# Altium PCB ThereMightBeNoise.PcbDoc (part 2 of 3)
Units mm, origin at the board's own origin, x right, y up, seen from the top; angles counter-clockwise.
Board outline 100.8 x 115.2 mm, 4 copper layers (Top Layer, Int1 (GND), Int2 (PWR), Bottom Layer), stack 1.056 mm thick; 250 components, 185 nets, 859 pads, 1257 vias.
Unrouted connection lines stored in the file: 297.
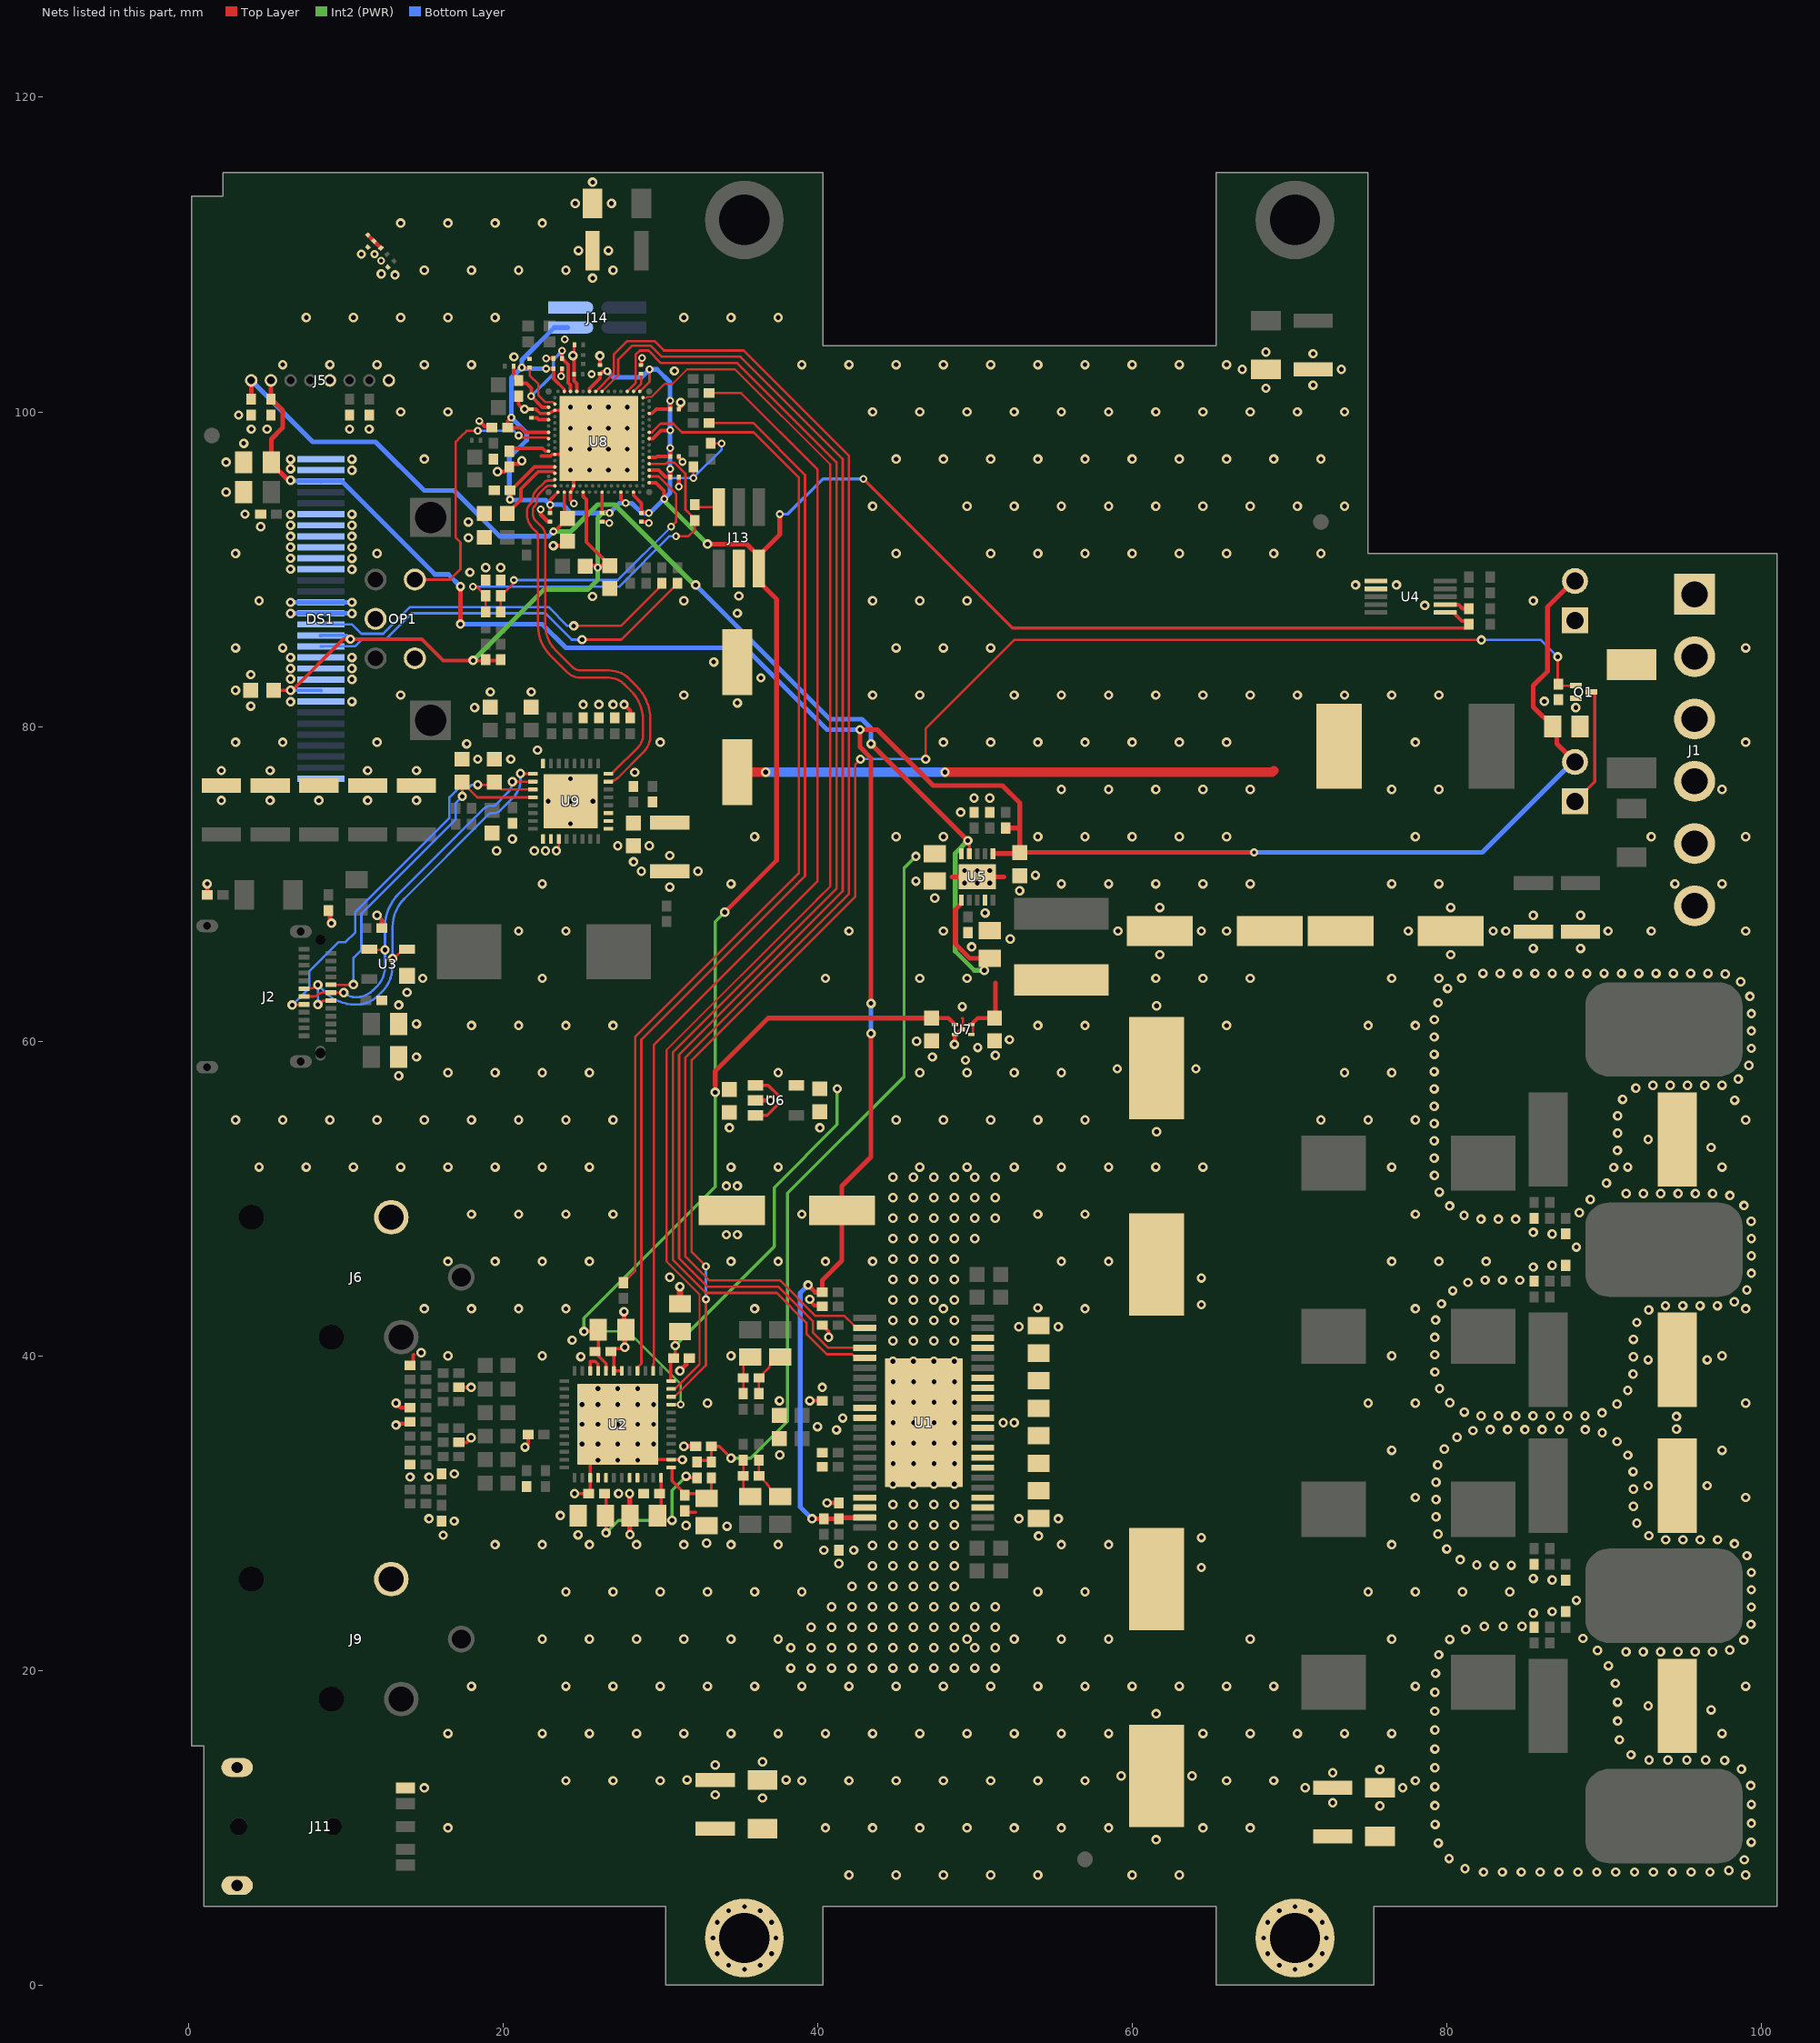
[diagram p4: the nets of this part, all layers, seen from the top]

## Part data (continued)
J2: "USB Connectors USB TYPE C RCPT R/A SMT TOP MOUNT", Manufacturer 1=Amphenol, Supplier Part Number 1=523-12401610E4#2A, ComponentLink1Description=Datasheet, ComponentLink1URL=https://www.mouser.co.uk/datasheet/2/18/12401610e4x2a-1394819.pdf, Manufacturer Part Number 1=12401610E4#2A, Supplier 1=Mouser
J3 J4: "Pin Header, Wire-to-Board, 2.5 mm, 1 Rows, 2 Contacts, Through Hole Straight, KK 5045 Series", Manufacturer 1=Molex, Supplier Part Number 1=9730940, ComponentLink1Description=Datasheet, ComponentLink1URL=http://www.farnell.com/datasheets/1861359.pdf, Manufacturer Part Number 1=22-04-1021, Supplier 1=Farnell
J5: "1.25mm Pitch, PicoBlade PCB Header, Single Row, Vertical, Through Hole, Tin Plating, Friction Lock, 8 Circuits, Tray, 2.30mm PC Tail Length", Manufacturer 1=Molex, Supplier Part Number 1=538-53047-0810, ComponentLink1Description=Datasheet, ComponentLink1URL=https://www.molex.com/webdocs/datasheets/pdf/en-us/0530470810_PCB_HEADERS.pdf, Manufacturer Part Number 1=530470810, Supplier 1=Mouser
J6 J9: library part NC3FAAH1, "XLR Connectors 3P FEMALE HORIZ PIN 1 & GRD TOGETHER", Manufacturer 1=Neutrik, Supplier Part Number 1=568-NC3FAAH-1, ComponentLink1Description=Datasheet, ComponentLink1URL=http://www.neutrik.us/en-us/xlr/aa-series/nc3faah1, Manufacturer Part Number 1=NC3FAAH1, Supplier 1=Mouser
J7 J8 J10 J12: "Speaker Spade Terminal Binding Post Metal Banana Plug Socket Connector", Supplier 1=Ebay, Supplier Part Number 1=https://www.ebay.co.uk/p/16004285643?iid=283347365473
J11: "3.50mm (0.141\", 1/8\", Mini Plug) - Headphone Phone Jack 5 Conductor (TRRRS) Connector Solder", Manufacturer 1="CUI Devices", Supplier Part Number 1=490-SJ-3541ASSMTTR67, ComponentLink1Description=Datasheet, ComponentLink1URL=https://www.cuidevices.com/product/resource/digikeypdf/sj-3541as-smt-tr-67.pdf, Manufacturer Part Number 1=SJ-3541AS-SMT-TR-67, Supplier 1=Mouser
J13: "Connector Header Surface Mount 6 position 0.050\" (1.27mm)", Manufacturer 1="AMPHENOL ICC", Supplier Part Number 1=1865277, ComponentLink1Description=Datasheet, ComponentLink1URL=https://cdn.amphenol-icc.com/media/wysiwyg/files/drawing/20021121.pdf?__cf_chl_jschl_tk__=3dd5f28909d7b594ee28d46c9ed8f43700ae6f44-1596631605-0-ATkpzJL9TJu5FzfHdunZMmaqnR7r0Qv7snR3CT3UcrPbezJeDjnuGYEt9Icu5rIENpFvesAaxI1JprcOJqVCx--MldxHNP4cFD73HanaDcvKPajA5uzqtEkqfZFGs9vAT18J9ERX3JpJjT1NnL0Wpd_o0_HjBdrr38dsqxhFuKB3xDfcgAo_3Kc4TXKaTbGDXbsuVDNwVEquLSBLkUGRwDr4gRRD1vSEfgnEf5WjMvHMM99kTZrmwlUvHq_okpXBPoEm5lOyPGLHTIguALaj068LjevqrZNhKizCyxJfy6dRFp5Xmb_qgPb5HMl6zMfbZz-NLi2y3eDG5wjAfmg-LL4dpny0k2FZ_9MjdEs4MfLtzLiwnoMuDt3u_K_4OCKDYOPBmtEiCntVRR4GHwvceDo, Manufacturer Part Number 1=20021121-00006C4LF, Price @ 10k=0.18, Supplier 1=Farnell
J14: "Pads for 4 pin programming pogoor smd header", Manufacturer 1="AMPHENOL ICC", Manufacturer Part Number 1=20021121-00004C4LF, Supplier Part Number 1=1865276, ComponentLink1Description=Datasheet, ComponentLink1URL=https://www.farnell.com/cad/2354041.pdf, Supplier 1=Farnell
L1 L2 L3 L4: library part PA4342.103NLT, "Fixed Inductors 10uH 7.5A 4mm 20% Low Prof", Current=7.5A, Inductance=10uH, Supplier Part Number 1=673-PA4342.103NLT, Tolerance=20%, ComponentLink1Description=Datasheet, ComponentLink1URL=https://www.mouser.co.uk/datasheet/2/336/P769-1526786.pdf, Manufacturer Part Number=PA4342.103NLT, Specifications="10uH 7.5A 20%", Supplier 1=Mouser
L5: library part SRR1260-6R8Y, "Fixed Inductors 6.8uH 30% SMD 1260", Current=6.3A, Inductance=6.8uH, Manufacturer 1=Bourns, Supplier Part Number 1=652-SRR1260-6R8Y, Tolerance=30%, ComponentLink1Description=Datasheet, ComponentLink1URL=https://www.mouser.co.uk/datasheet/2/54/rr1260-1391580.pdf, Manufacturer Part Number=SRR1260-6R8Y, Manufacturer Part Number 1=SRR1260-6R8Y, Specifications="6.8uH 6.3A 30%", Supplier 1=Mouser
L6: library part TYS6045221M-10, "Fixed Inductors 220uH 20% -40C +125C", Current=590mA, Inductance=220uH, Supplier Part Number 1=875-TYS6045221M-10, Tolerance=20%, ComponentLink1Description=Datasheet, ComponentLink1URL=https://assets.lairdtech.com/home/brandworld/files/TYS6045221M-10.pdf, Manufacturer Part Number=TYS6045221M-10, Specifications="220uH 590mA 20%", Supplier 1=Mouser
L7: library part MLG0603P3N9ST000, "Fixed Inductors IND 0201 3.9nH Hi-Q SMD RF IND", Current=400mA, Inductance=3.9nH, Manufacturer 1=TDK, Supplier Part Number 1=810-MLG0603P3N9ST000, Tolerance=10%, ComponentLink1Description=Datasheet, ComponentLink1URL=https://product.tdk.com/info/en/catalog/datasheets/inductor_commercial_high-frequency_mlg0603p_en.pdf?ref_disty=mouser, Manufacturer Part Number 1=MLG0603P3N9ST000, Specifications="3.9nH 400mA 10%", Supplier 1=Mouser
L8 L10: library part MLG0603P15NHT000, "Fixed Inductors IND 0201 15nH Hi-Q SMD RF IND", Current=250mA, Inductance=15nH, Manufacturer 1=TDK, Supplier Part Number 1=810-MLG0603P15NHT000, Tolerance=3%, ComponentLink1Description=Datasheet, ComponentLink1URL=https://product.tdk.com/info/en/catalog/datasheets/inductor_commercial_high-frequency_mlg0603p_en.pdf?ref_disty=mouser, Manufacturer Part Number 1=MLG0603P15NHT000, Specifications="15nH 250mA 3%", Supplier 1=Mouser
L9 L11 L12: library part L0603B100KDWFT, "Fixed Inductors 10uH 10% Wound Chip", Current=115mA, Inductance=10uH, Manufacturer 1=Kemet, Supplier Part Number 1=80-L0603B100KDWFT, Tolerance=10%, ComponentLink1Description=Datasheet, ComponentLink1URL=https://www.mouser.co.uk/datasheet/2/212/F3115-1104303.pdf, Manufacturer Part Number 1=L0603B100KDWFT, Specifications="10uH 115mA 10%", Supplier 1=Mouser
L13: library part PA4342.153NLT, "Fixed Inductors 15uH 6.25A 4mm 20% Low Prof", Current=6.25, Inductance=15uH, Manufacturer 1="Pulse Electronics", Supplier Part Number 1=673-PA4342.153NLT, Tolerance=20%, ComponentLink1Description=Datasheet, Manufacturer Part Number 1=PA4342.153NLT, Specifications="15uH 6.25 20%", Supplier 1=Mouser
OP1: "Rotary Encoder Mechanical 24 Quadrature (Incremental) Right Angle", Manufacturer 1=Bourns, Supplier Part Number 1=652-PEC12R-2230F-S24, ComponentLink1Description=Datasheet, ComponentLink1URL=https://www.bourns.com/docs/Product-Datasheets/PEC12R.pdf, Manufacturer Part Number 1=PEC12R-2230F-S0024, Supplier 1=Mouser
Q1: "N-Channel 20V 200mA (Ta) 150mW (Ta) Surface Mount VMT3", Drain Current=200mA, Manufacturer 1="ROHM Semiconductor", On Resistance=1.2Ohm, Supplier Part Number 1=2706688, ComponentLink1Description=Datasheet, ComponentLink1URL=https://d1d2qsbl8m0m72.cloudfront.net/en/products/databook/datasheet/discrete/transistor/mosfet/rum002n02t2l-e.pdf, Manufacturer Part Number 1=RUM002N02T2L, Price @ 10k=0.043, Specifications="N-Channel 200mA 2.5V", Supplier 1=Farnell, Transistor Polarity=N-Channel, VDS=20V, VGS=2.5V
R1 R2 R3 R4 R5 R6 R34 R35: library part "3R3 100mW 50V 0402", Manufacturer 1="KOA Speer", Manufacturer Part Number 1=RK73H1ETTP3R30F, Power Rating=100mW, Supplier Part Number 1=660-RK73H1ETTP3R30F, Tolerance=1%, Voltage=50V, Resistance=3R3, Specifications="3R3 50V ±1%", Supplier 1=Mouser
R7 R8: library part "30k 63mW 50V 0402", Manufacturer 1=WALSIN, Manufacturer Part Number 1=WR04X3002FTL, Power Rating=63mW, Supplier Part Number 1=2668211, Tolerance=1%, Voltage=50V, Resistance=30k, Specifications="30k 50V ±1%", Supplier 1=Farnell
R9 R13 R14 R19 R23 R24 R64: library part "100R 63mW 50V 0402", Manufacturer 1="MULTICOMP PRO", Manufacturer Part Number 1=MCWR04X1000FTL, Power Rating=63mW, Supplier Part Number 1=2447095, Tolerance=1%, Voltage=50V, Resistance=100R, Specifications="100R 50V ±1%", Supplier 1=Farnell
R10 R12 R15 R18: library part "47k 63mW 50V 0402", Manufacturer 1="MULTICOMP PRO", Manufacturer Part Number 1=MCWR04X4702FTL, Power Rating=63mW, Supplier Part Number 1=2447179, Tolerance=1%, Voltage=50V, Resistance=47k, Specifications="47k 50V ±1%", Supplier 1=Farnell
R11 R16: library part "2M2 63mW 50V 0402", Manufacturer 1="MULTICOMP PRO", Manufacturer Part Number 1=MCWR04W2204FTL, Power Rating=63mW, Supplier Part Number 1=2447153, Tolerance=1%, Voltage=50V, Resistance=2M2, Specifications="2M2 50V ±1%", Supplier 1=Farnell
R17 R20 R22 R25: library part "560R 63mW 50V 0402", Manufacturer 1=Panasonic, Manufacturer Part Number 1=ERJ-2RHD5600X, Power Rating=63mW, Supplier Part Number 1=667-ERJ-2RHD5600X, Tolerance=0.5%, Voltage=50V, Resistance=560R, Specifications="560R 50V ±0.5%", Supplier 1=Mouser
R21: library part "2k 63mW 50V 0402", Manufacturer 1="MULTICOMP PRO", Manufacturer Part Number 1=MCWR04X2001FTL, Power Rating=63mW, Supplier Part Number 1=2447147, Tolerance=1%, Voltage=50V, Resistance=2k, Specifications="2k 50V ±1%", Supplier 1=Farnell
R26 R27 R63 R65: library part "100k 63mW 50V 0402", Manufacturer 1=Yageo, Manufacturer Part Number 1=AC0402FR-07100KL, Power Rating=63mW, Supplier Part Number 1=603-AC0402FR-07100KL, Tolerance=1%, Voltage=50V, Resistance=100k, Specifications="100k 50V ±1%", Supplier 1=Mouser
R28 R50 R51 R52 R53 R54 R55 R57 R58: library part "33R 63mW 50V 0402", Manufacturer 1=Vishay, Manufacturer Part Number 1=CRCW040233R0JNEDC, Power Rating=63mW, Supplier Part Number 1=71-CRCW040233R0JNEDC, Tolerance=5%, Voltage=50V, Resistance=33R, Specifications="33R 50V ±5%", Supplier 1=Mouser
R29 R30 R31 R32: library part "100R 250mW 200V 1206", Manufacturer 1="Vishay / Dale", Manufacturer Part Number 1=CRCW1206100RFKEAC, Power Rating=250mW, Supplier Part Number 1=71-CRCW1206100RFKEAC, Tolerance=1%, Voltage=200V, Resistance=100R, Specifications="100R 200V ±1%", Supplier 1=Mouser
R33: library part "2m 1W 100V 1206", "Current Sense Resistors - SMD 1W 0.002 OHMS 1%", Manufacturer 1=Ohmite, Manufacturer Part Number 1=PCS1206FR0020ET, Power Rating=1W, Supplier Part Number 1=588-PCS1206FR0020ET, Tolerance=1%, Voltage=100V, Resistance=2m, Specifications="2m 100V ±1%", Supplier 1=Mouser
R36 R41 R42 R43 R44: library part "10k 63mW 50V 0402", Manufacturer 1=Yageo, Manufacturer Part Number 1=AC0402FR-0710KL, Power Rating=63mW, Supplier Part Number 1=603-AC0402FR-0710KL, Tolerance=1%, Voltage=50V, Resistance=10k, Specifications="10k 50V ±1%", Supplier 1=Mouser
R37: library part "3M3 63mW 50V 0402", Manufacturer 1=Yageo, Manufacturer Part Number 1=RC0402FR-073M3L, Power Rating=63mW, Supplier Part Number 1=603-RC0402FR-073M3L, Tolerance=1%, Voltage=50V, Resistance=3M3, Specifications="3M3 50V ±1%", Supplier 1=Mouser
R38: library part "470k 63mW 50V 0402", Manufacturer 1=Vishay, Manufacturer Part Number 1=CRCW0402470KFKEDC, Power Rating=63mW, Supplier Part Number 1=71-CRCW0402470KFKEDC, Tolerance=1%, Voltage=50V, Resistance=470k, Specifications="470k 50V ±1%", Supplier 1=Mouser
R39 R40: library part "R TBD 0402", Power Rating=?W, Tolerance=?%, Voltage=?V, Resistance=TBD, Specifications="TBD ?V ±?%"
R45: library part "910k 63mW 50V 0402", Manufacturer 1=Vishay, Manufacturer Part Number 1=CRCW0402910KJNED, Power Rating=63mW, Supplier Part Number 1=71-CRCW0402910KJNED, Tolerance=5%, Voltage=50V, Resistance=910k, Specifications="910k 50V ±5%", Supplier 1=Mouser
R46: library part "0R 50mW 25V 0201", Manufacturer 1="MULTICOMP PRO", Manufacturer Part Number 1=MCRE000086, Power Rating=50mW, Supplier Part Number 1=1711553, Tolerance=1%, Voltage=25V, Resistance=0R, Specifications="0R 25V ±1%", Supplier 1=Farnell
R47 R48 R49 R61: library part "4k7 63mW 50V 0402", Manufacturer 1=Yageo, Manufacturer Part Number 1=AC0402FR-134K7L, Power Rating=63mW, Supplier Part Number 1=603-AC0402FR-134K7L, Tolerance=1%, Voltage=50V, Resistance=4k7, Specifications="4k7 50V ±1%", Supplier 1=Mouser
R56 R67: library part "0R 63mW 50V 0402", Manufacturer 1=Vishay, Manufacturer Part Number 1=CRCW04020000Z0EDC, Power Rating=63mW, Supplier Part Number 1=71-CRCW04020000Z0EDC, Tolerance=1%, Voltage=50V, Resistance=0R, Specifications="0R 50V ±1%", Supplier 1=Mouser
R59: library part "15m 1W 100V 1206", Manufacturer 1=WALSIN, Manufacturer Part Number 1=WW12RR015FTL, Power Rating=1W, Supplier Part Number 1=2503045, Tolerance=1%, Voltage=100V, Resistance=15m, Specifications="15m 100V ±1%", Supplier 1=Farnell
R60: library part "110k 63mW 50V 0402", Manufacturer 1="MULTICOMP PRO", Manufacturer Part Number 1=MCWR04X1103FTL, Power Rating=63W, Supplier Part Number 1=2447099, Tolerance=1%, Voltage=50V, Resistance=110k, Specifications="110k 50V ±1%", Supplier 1=Farnell
R62: library part "300R 63mW 50V 0402", Manufacturer 1="MULTICOMP PRO", Manufacturer Part Number 1=MCMR04X3000FTL, Power Rating=63mW, Supplier Part Number 1=2072893, Tolerance=1%, Voltage=50V, Resistance=300R, Specifications="300R 50V ±1%", Supplier 1=Farnell
R66: library part "49k9 63mW 50V 0402", Manufacturer 1=Vishay, Manufacturer Part Number 1=CRCW040249K9FKEDC, Power Rating=63mW, Supplier Part Number 1=71-CRCW040249K9FKEDC, Tolerance=1%, Voltage=50V, Resistance=49.9k, Specifications="49.9k 50V ±1%", Supplier 1=Mouser
R68: library part "11k8 63mW 50V 0402", Manufacturer 1="MULTICOMP PRO", Manufacturer Part Number 1=MCWR04X1182FTL, Power Rating=63mW, Supplier Part Number 1=2694536, Tolerance=1%, Voltage=50V, Resistance=11k8, Specifications="11k8 50V ±1%", Supplier 1=Farnell
U1: "TPA3250 70-W Stereo, 130-W peak PurePath™ Ultra-HD Pad Down Class-D Amplifier", Manufacturer 1="Texas Instruments", Supplier Part Number 1=296-43794-1-ND, ComponentLink1Description=Datasheet, ComponentLink1URL=https://www.ti.com/lit/ds/symlink/tpa3250.pdf, Manufacturer Part Number 1=TPA3250D2DDWR, Supplier 1=Digi-Key
U2: "TLV320AIC3106 Low-Power Stereo Audio CODEC for Portable Audio/Telephony", Manufacturer 1="Texas Instruments", Manufacturer Part Number=TLV320AIC3106IRGZR, Supplier Part Number 1=595-V320AIC3106IRGZR, ComponentLink1Description=Datasheet, ComponentLink1URL=http://www.ti.com/lit/ds/symlink/tlv320aic3106.pdf, Manufacturer Part Number 1=TLV320AIC3106IRGZR, Supplier 1=Mouser, Supplier 2=Ebay, Supplier Part Number 2=https://www.ebay.com/itm/314119689693?hash=item4922fe15dd:g:~7UAAOSwOKRjB0jY&amdata=enc%3AAQAHAAAA4N0kf08Ubw6PpxJ0sV6%2Fq4sxEvBHfILYZT9O%2B3R2ik8SIpR8dyoOz6b3zf4RdB22lZOPJxKqmbMyCk7qr01zOZpZNXsi5rvSdRqY841zB7LnX0sY0vu1g%2BBVDZfZajFxEp3dD2ONrEfVXD5wqt9NyzT46URjKDI7jdn0ZdFMs3h64npPlNRcrem5ckPVJ55rxv%2Fs3XlkADo%2FGQCfajwdfOHJjruZNi6CU7pYfV2h3bJT7kaRjd2DQRrrElCP0bjXFOlURTf%2F7h2f9uVAkJGcyDCv7tpcd70t8wwnktRV1JVY%7Ctkp%3ABk9SR8CIgbTjYA
U3: "ESD Suppressors / TVS Diodes TVS AVAL DIODE SMT", Breakdown Voltage=5.5V, Diode Capacitance=30pF, Manufacturer 1=Littlefuse, Power Dissipation=225mW, Supplier Part Number 1=576-SP0503BAHTG, ComponentLink1Description=Datasheet, ComponentLink1URL=https://www.mouser.co.uk/datasheet/2/240/Littelfuse_TVS_Diode_Array_SP05_Datasheet.pdf-777043.pdf, Manufacturer Part Number 1=SP0503BAHTG, Specifications="Breakdown Voltage\"+' '+\"Diode Capacitance\"+' '+\"Power Dissipation", Stock=8366, Supplier 1=Mouser
U4: "Current & Power Monitors & Regulators Hi-Side Msmt,Bi-Dir Current/Pwr Mon", Manufacturer 1="Texas Instruments", Supplier Part Number 1=595-INA226AIDGSR, ComponentLink1Description=Datasheet, ComponentLink1URL=https://www.ti.com/lit/ds/symlink/ina226.pdf?ts=1603639828140&ref_url=https%253A%252F%252Fwww.google.com%252F, Manufacturer Part Number 1=INA226AIDGSR, Supplier 1=Mouser, Supplier 2=Ebay, Supplier Part Number 2=https://www.ebay.com/itm/292413947140?hash=item44153abd04:g:KkcAAOSwup1bzJJs&amdata=enc%3AAQAHAAAA4PdI6VXDLYAPJFEXmHZi1ThRRON26MnYbdmjJKT%2F0dK%2F7GWelxmov%2FVYVmcGdieuIJzLqoO%2BD%2BHoggpZhgSPH2ZVvivlAlKuwXud9ILDOUiWmm8vxYRrJ9Jz0bi6RVpucmt8w%2BX2ZyMTawRkpNpetfg6BauLy6FlRyyJmdkYQj6gMVZhbwIoMXc2muNY31f1spp9JTpkgCNr%2FzVU18zPTNn%2Bsj68HkPpNiej54P62RECWmDMvztQzE4azF%2BaI%2FZmXqVSyvKASGqyPNlrq8T800cfpcDTEwQMdI6ngCFQHQZh%7Ctkp%3ABFBM_u7FtONg
U5: "Switching Voltage Regulators 4.5V - 60V, 150mA Synchronous DC-DC and 5V, 50mA low noise LDO", Manufacturer 1=Maxim, Manufacturer Part Number=MAX17671FATB+, Supplier Part Number 1=700-MAX17671FATB+, ComponentLink1Description=Datasheet, ComponentLink1URL=https://www.mouser.co.uk/datasheet/2/256/MAX17671-1395932.pdf, Manufacturer Part Number 1=MAX17671FATB+, Supplier 1=Mouser
U6: "LDO Voltage Regulators Single 300mA LDO with Enable Pull-Down & Auto Discharge", Manufacturer 1=Microchip, Manufacturer Part Number=MIC5504-1.8YM5-TR, Supplier Part Number 1=998-MIC5504-1.8YM5TR, ComponentLink1Description=Datasheet, ComponentLink1URL=https://www.mouser.co.uk/datasheet/2/268/MIC550X-1082389.pdf, Manufacturer Part Number 1=MIC5504-1.8YM5-TR, Supplier 1=Mouser
U7: "LDO Voltage Regulators Ultra Small Single 150mA LDO", Manufacturer 1="Microchip Technology / Atmel", Supplier Part Number 1=998-MIC5365-3.3YMTTZ, ComponentLink1Description=Datasheet, ComponentLink1URL=https://eu.mouser.com/datasheet/2/268/mic5365-1082359.pdf, Manufacturer Part Number 1=MIC5365-3.3YMT-TZ, Supplier 1=Mouser
U8: "Multi-protocol Bluetooth Low Energy, IEEE 802.15.4, ANT and 2.4GHz proprietary system-on-chip", Manufacturer 1="Nordic Semiconductor", Supplier Part Number 1=949-NRF5340-QKAA-R, ComponentLink1Description=Datasheet, ComponentLink1URL=https://www.mouser.co.uk/datasheet/2/297/nRF5340_OPS_v0_5_1-1929595.pdf, Manufacturer Part Number 1=nRF5340-QKAA-R, Supplier 1=Mouser
U9: "USB Interface IC USB Type-C and SDP/CDP charge port converter with cable compensation 32-VQFN -40 to 125", Manufacturer 1="Texas Instruments", Supplier Part Number 1=595-TPS25832QWRHBRQ1, ComponentLink1Description=Datasheet, ComponentLink1URL=https://www.ti.com/lit/ds/symlink/tps25832-q1.pdf, Manufacturer Part Number 1=TPS25832QWRHBRQ1, Supplier 1=Mouser, Supplier 2=Mouser, Supplier Part Number 2=595-PS25832AQWRHBRQ1
Y1: library part XRCGB32M000FXH2CR0, "Crystals 2x1.6mm 32MHz 40ppm Crystal Unit", Frequency=32MHz, Load Capacitance=8pF, Manufacturer 1="Murata Electronics", Supplier Part Number 1=81-XRCGB32M000FXH2CR, Tolerance=40ppm, ComponentLink1Description=Datasheets, ComponentLink1URL=https://www.mouser.co.uk/datasheet/2/281/SPEC-XRCGB32M000FXH2CR0-1879428.pdf, Manufacturer Part Number 1=XRCGB32M000FXH2CR0, Specifications="32MHz  8pF 40ppm", Supplier 1=Mouser

## Free pads (board coordinates)
  round 5 hole 3.2: 0(35.35,3) 0(35.35,112.2) 0(70.35,3) 0(70.35,112.2)

## Via types
v1: diameter 0.6, hole 0.3, Top Layer to Bottom Layer, tented both sides, 1048 vias
v2: diameter 0.6, hole 0.3, Top Layer to Bottom Layer, 94 vias
v3: diameter 0.5, hole 0.25, Top Layer to Bottom Layer, tented both sides, 69 vias
v4: diameter 0.6, hole 0.3, Top Layer to Bottom Layer, tented top, 30 vias
v5: diameter 0.6, hole 0.3, Top Layer to Bottom Layer, tented bottom, 16 vias

## Nets (pads, with @x,y where several pads share a name; then routed paths per layer and width w, separated by ;. In a path a pad name is that pad's centre, name@x,y a point inside that pad or via, vN(x,y) a via of type N, cw(c..) or ccw(c..) an arc to the next point about the centre after c; other vN are vias at no path point)
1.8V: C35.2 C36.2 C80.2 U2.36 U6.5 | length 24.1
  Top Layer w0.2: C36.2@30.65,40.05 30.65,38.4 U2.36@30.7,38.4 ; C36.2@30.95,39.85 v1(30.95,40.65) 30.95,41.255 C35.2@31.252,41.557 C35.2@31.25,41.559
  Int2 (PWR) w0.2: v1(30.95,40.65) 37.25,46.95 37.25,50.7 41.25,54.7 v1(41.25,56.975)
3.3V: C40.2 C41.2 C76.2 C79.2 C83.2 C86.2 C93.2 C96.2 C98.2 C99.2 C100.2 C101.2 C102.2 C103.2 C104.2 C105.2 C106.2 C107.2 DS1.9 DS1.14 J13.6 J14.1 L12.1 R41.2 R42.2 R48.2 R49.2 U2.33 U2.44 U4.6 U6.1 U6.3 U7.1 U8.A19 U8.AC1 U8.AG1 U8.AJ31 U8.AL3 U8.AL7 U8.AL11 U8.AL17 U8.AL25 U8.B8 U8.B28 U8.C1 U8.E31 U8.L1 U8.N31 U8.U1 | length 269.2
  Top Layer w0.15: v3(21.2,102.825) 21.2,102.775 21.25,102.825 C106.2@21.7,102.825 21.7,102.317 22.261,101.756 22.261,101.047 22.685,100.623 23.175,100.623 U8.B28@23.3,100.5 U8.B28@23.3,100.5 ; U8.AJ31@28.7,101.3 29.318,101.918 v3(29.318,102.705) ; U2.33@30.7,36.9 v3(31.3,36.9) ; v3(32.1,95.8) R49.2@32.1,96.5 ; R48.2@33.3,98 v3(33.9,98)
  Top Layer w0.2: v1(25.15,41.55) 25.671,41.55 C40.2@26.172,42.051 ; C41.2@25.918,40.146 26.55,39.514 U2.44@26.55,39.05 ; C41.2@26.045,40.273 26.059,40.287 C40.2@26.059,41.67 ; C40.2@26.25,41.55 C40.2@26.35,41.45 ; U6.3@36.047,55.291 36.791,55.291 37.5,56 37.5,56.552 36.861,57.191 U6.1@36.047,57.191 ; v3(42.917,95.731) 52.398,86.25 81.15,86.25 C76.2@81.4,86.5
  Top Layer w0.225: C86.2@5.425,82.3 v1(6.5,82.3) 6.6,82.3 9.851,85.551 v1(10.3,85.551) 14.849,85.551 16.2,84.2 v1(18.1,84.2) R41.2@19.9,84.2 ; v3(20.45,94.425) 20.475,94.45 20.475,95 C96.2@20.45,95.025 20.525,95.025 22.002,96.502 23.298,96.502 U8.B8@23.3,96.5 ; v3(20.54,99.64) 20.3,99.4 C93.2@20.3,99 20.311,98.989 21.132,98.989 21.421,98.7 U8.A19@22.9,98.7 ; v3(22.75,102.75) C105.2@23.215,102.75 23.215,102.117 23.9,101.432 U8.E31@23.9,101.3 ; C98.2@23,93.575 v3(23,94.1) ; 23,94.4 U8.C1@23.5,94.9 ; U8.L1@25.1,94.9 25.1,94.629 25.3,94.429 25.3,91.725 C107.2@26.8,90.225 v3@26.025,90.225 ; L12.1@25.225,90.2 25.25,90.225 v3@26.025,90.225 ; U8.N31@25.5,101.3 25.5,101.48 26.159,102.139 26.159,102.413 26.172,102.425 C104.2@26.175,102.425 26.2,102.425 26.32,102.545 26.578,102.545 v3(26.629,102.596) ; v3(26.025,90.099) v3@26.025,90.225 ; U8.U1@26.3,94.9 26.3,94.872 C99.2@26.3,93.575 26.725,93.575 v3(26.775,93.575) ; U8.AC1@27.5,94.9 27.5,94.469 27.769,94.2 v3(27.8,94.2) ; U8.AG1@28.3,94.9 28.3,94.7 28.8,94.2 C100.2@28.8,93.68 ; C100.2@28.8,93.575 v3(29.275,93.575) ; U8.AL3@29.3,95.5 29.725,95.5 30.25,94.975 v3(30.25,94.469) ; U8.AL7@29.3,96.3 29.9,96.3 30.336,95.864 C101.2@30.613,95.864 ; U8.AL11@29.3,97.1 29.74,97.1 29.815,97.175 C102.2@30.625,97.175 v3(30.625,97.699) ; U8.AL17@29.3,98.3 29.526,98.3 30.047,98.821 30.622,98.821 v3(30.625,98.824) ; U8.AL25@29.3,99.9 29.475,99.9 29.75,100.175 C103.2@30.625,100.175 v3@30.626,100.699 ; C101.2@30.613,95.863 C101.2@30.625,95.85 v3(30.625,96.374) ; U4.6@79.9,87.25 80.4,87.25 80.95,86.7 C76.2@81.3,86.7
  Top Layer w0.25: C83.2@47.25,61.475 48.317,61.475 U7.1@48.729,61.062
  Top Layer w0.3: v1(33,91.6) 35.5,91.6 J13.6@36.27,90.83 ; R48.2@33.2,98 R48.2@33.3,98 ; 33.5,57.191 33.5,58.1 36.875,61.475 C83.2@47.25,61.475 ; v1(34.1,68.2) 37.4,71.5 37.4,88.1 J13.6@36.5,89 ; J13.6@36.27,90.05 J13.6@36.27,90.83 ; v3(37.599,93.5) 37.599,92.199 36.27,90.87 J13.6@36.27,90.83
  Int2 (PWR) w0.15: v1(25.15,41.55) 27.95,41.55 31.3,38.2 v3(31.3,36.9)
  Int2 (PWR) w0.2: v1(25.15,41.55) 25.15,42.4 33.5,50.75 33.5,67.6 v1(34.1,68.2)
  Int2 (PWR) w0.3: v1(18.1,84.2) 22.6,88.7 25.4,88.7 26.025,89.325 26.025,93.275 26.325,93.575 v3(26.775,93.575) ; v3(30.25,94.469) 30.25,94.45 30.2,94.4 v1(33,91.6)
  Bottom Layer w0.15: 30.625,95.8 v3(32.1,95.8) 33.9,97.6 v3(33.9,98)
  Bottom Layer w0.2: v3(37.599,93.5) 38.1,93.5 40.331,95.731 42.9,95.731 42.9,95.75 v3(42.917,95.731) v3(42.917,95.731)
  Bottom Layer w0.225: v1(6.5,82.3) 8.416,82.3 DS1.9@8.425,82.291 ; DS1.14@8.425,85.791 8.409,85.791 8.4,85.8 10.051,85.8 v1(10.3,85.551)
  Bottom Layer w0.3: v3(22.75,102.75) 21.275,102.75 v3(21.2,102.825) ; J14.1@24.112,105.365 23.265,105.365 21.2,103.3 v3(21.2,102.825) ; v3(26.629,102.596) 27.025,102.2 28.813,102.2 v3(29.318,102.705) 29.795,102.705 30.626,101.874 v3(30.626,100.7) 30.625,100.699 v3(30.625,98.824) v3(30.625,97.699) v3(30.625,96.374) 30.625,95.8 30.625,94.844 v3(30.25,94.469) 29.356,93.575 28.825,93.575 28.2,94.2 v3(27.8,94.2) 27.4,94.2 v3(26.775,93.575) 24.325,93.575 23.8,94.1 v3(23,94.1) 22.7,94.4 20.475,94.4 v3(20.45,94.425) 20.425,94.425 20.4,94.4 20.4,97.1 21.5,98.2 21.5,98.68 v3(20.54,99.64) 20.54,102.165 v3(21.2,102.825)
  other v1: 33.5,56.75
5V: C66.2 C78.2 C82.2 C108.2 J5.8 L6.2 U5.4 U5.6 U7.3 U7.4 U8.E1 | length 84.8
  Top Layer w0.15: U7.3@49.771,60.438 49.878,60.545 49.878,60.955 U7.4@49.771,61.062
  Top Layer w0.2: v1@49.65,72.562 49.65,71.951 U5.4@49.701,71.9
  Top Layer w0.225: v3@23.2,92.3 23.2,92.325 C108.2@24.1,93.225 23.9,93.425 U8.E1@23.9,94.9
  Top Layer w0.25: U7.4@49.771,61.062 50.183,61.475 C82.2@51.25,61.475
  Top Layer w0.3: C66.2@4,100.8 J5.8@4,102 ; v1(43.4,78.9) 48.7,73.6 v1(49.55,72.75) ; U5.6@49.15,68.975 49.15,68.75 48.75,68.35 48.75,66.2 49.675,65.275 C78.2@50.95,65.275 ; C82.2@51.25,61.475 51.3,61.525 51.3,63.7
  Int2 (PWR) w0.3: v3(23.2,92.4) 24.325,92.4 26.025,94.1 27.087,94.1 32.187,89 v1(32.25,89) ; v1(49.55,72.75) 48.75,71.95 48.75,65.72 49.97,64.5 v1@50.676,64.5
  Bottom Layer w0.3: J5.8@4,102 7.9,98.1 11.9,98.1 15,95 16.89,95 19.79,92.1 22.9,92.1 v3(23.2,92.4) ; v1(32.25,89) 40.779,80.471 42.818,80.471 43.4,79.888 v1(43.4,78.9) ; v1@49.5,72.8 v1(49.55,72.75)
  other v1: 50.6,64.5
12V: C27.1 C28.2 C64.2 C65.2 C77.2 C88.2 DS1.28 J3.2 J4.2 J5.7 R1.2 R6.2 R37.2 U1.21 U5.1 | length 178.8
  Top Layer w0.3: C65.2@5.25,100.8 J5.7@5.25,102 ; C65.2@5.4,100.7 6,100.1 6,99 5.275,98.275 C88.2@5.275,96.8 5.275,96.725 6.4,95.6 6.5,95.6 v1(6.5,95.654) ; v1(17.299,86.515) v1(17.299,88.9) ; v1(39.4,44.5) 39.85,44.05 R1.2@40.3,44.05 40.3,44.8 41.55,46.05 C27.1@41.55,49.25 41.55,50.8 43.4,52.65 v1(43.4,60.492) ; v1(39.65,29.65) C28.2@41.35,29.65 41.417,29.718 U1.21@43,29.718 ; v1(43.4,62.404) 43.4,78 42.7,78.7 v1(42.7,79.8) 43.8,79.8 47.35,76.25 51.75,76.25 52.85,75.15 52.85,73.562 ; U5.1@51.15,71.925 C77.2@52.8,71.925 ; R37.2@51.95,73.55 52.837,73.55 52.85,73.562 ; v3(67.75,72) 52.875,72 C77.2@52.85,71.975 52.85,73.562 ; C64.2@86.4,80.2 86.6,80 C64.2@86.625,80 ; C64.2@86.725,80 86.75,80 85.5,81.25 85.5,82.6 86.4,83.5 86.4,87.6 88.05,89.25 J3.2@88.15,89.25 ; C64.2@86.971,80.496 87,80.468 87,78.9 J4.2@88.15,77.75
  Bottom Layer w0.3: v1(6.5,95.654) 6.5,95.6 8.416,95.6 DS1.28@8.425,95.591 8.434,95.6 9.743,95.6 15.672,89.671 16.528,89.671 v1(17.299,88.9) ; v1(17.299,86.515) 22.486,86.515 24,85 35.4,85 40.6,79.8 v1(42.7,79.8) ; v1(39.4,44.5) 38.9,44 38.9,37.6 38.9,30.4 v1(39.65,29.65) ; v1(43.4,60.492) v1(43.4,62.404) ; v3(67.75,72) 82.25,72 88,77.75 J4.2@88.15,77.75
36V: C6.1 C7.1 C12.2 C15.1 C19.1 C21.2 C71.1 C72.1 C124.1 C125.2 C126.2 L5.2 R60.2 U1.29 U1.30 U1.31 U1.36 U1.37 U1.38 U9.1 U9.2 U9.3 | length 34.7
  Top Layer w0.6: C124.1@34.3,77.1 v1(36.699,77.1) ; v1(48.1,77.1) 68.9,77.1 69,77.2
  Bottom Layer w0.6: v1(36.699,77.1) v1(48.1,77.1)
36V_UNF: F1.1 J1.1 J1.2 J1.3
A3.3V: C39.2 C81.2 FB1.1 FB2.1 U5.5 | length 47.4
  Top Layer w0.2: FB1.1@32.35,33.35 33.25,33.35 C39.2@33.25,34.25 33.75,34.25 v1(34.5,33.5)
  Top Layer w0.3: C81.2@47.25,71.95 47.425,71.95 C81.2@47.45,71.925
  Int2 (PWR) w0.2: v1(34.5,33.5) 35.75,33.5 38.1,35.85 38.1,50.35 45.5,57.75 45.5,71 v1(46.25,71.75)
AMP_FAULT#: U1.4 U8.U31 | length 89.7
  Top Layer w0.15: U8.U31@26.3,101.3 27.327,102.327 27.327,103.327 28.2,104.2 29.4,104.2 30.1,103.5 35.1,103.5 41.6,97 41.6,69.534 31.197,59.131 31.197,46.203 33,44.4 37.5,44.4 39.7,42.2 39.7,41.5 40.687,40.513 U1.4@43,40.513